# Altium PCB USB_HUB_VL813.PcbDoc (part 1 of 2)
Units mil, origin at the board's own origin, x right, y up, seen from the top; angles counter-clockwise.
Board outline 3149.61 x 1968.5 mil, 2 copper layers (Top Layer, Bottom Layer), stack 38.627 mil thick; 99 components, 97 nets, 397 pads, 366 vias.
Unrouted connection lines stored in the file: 59.
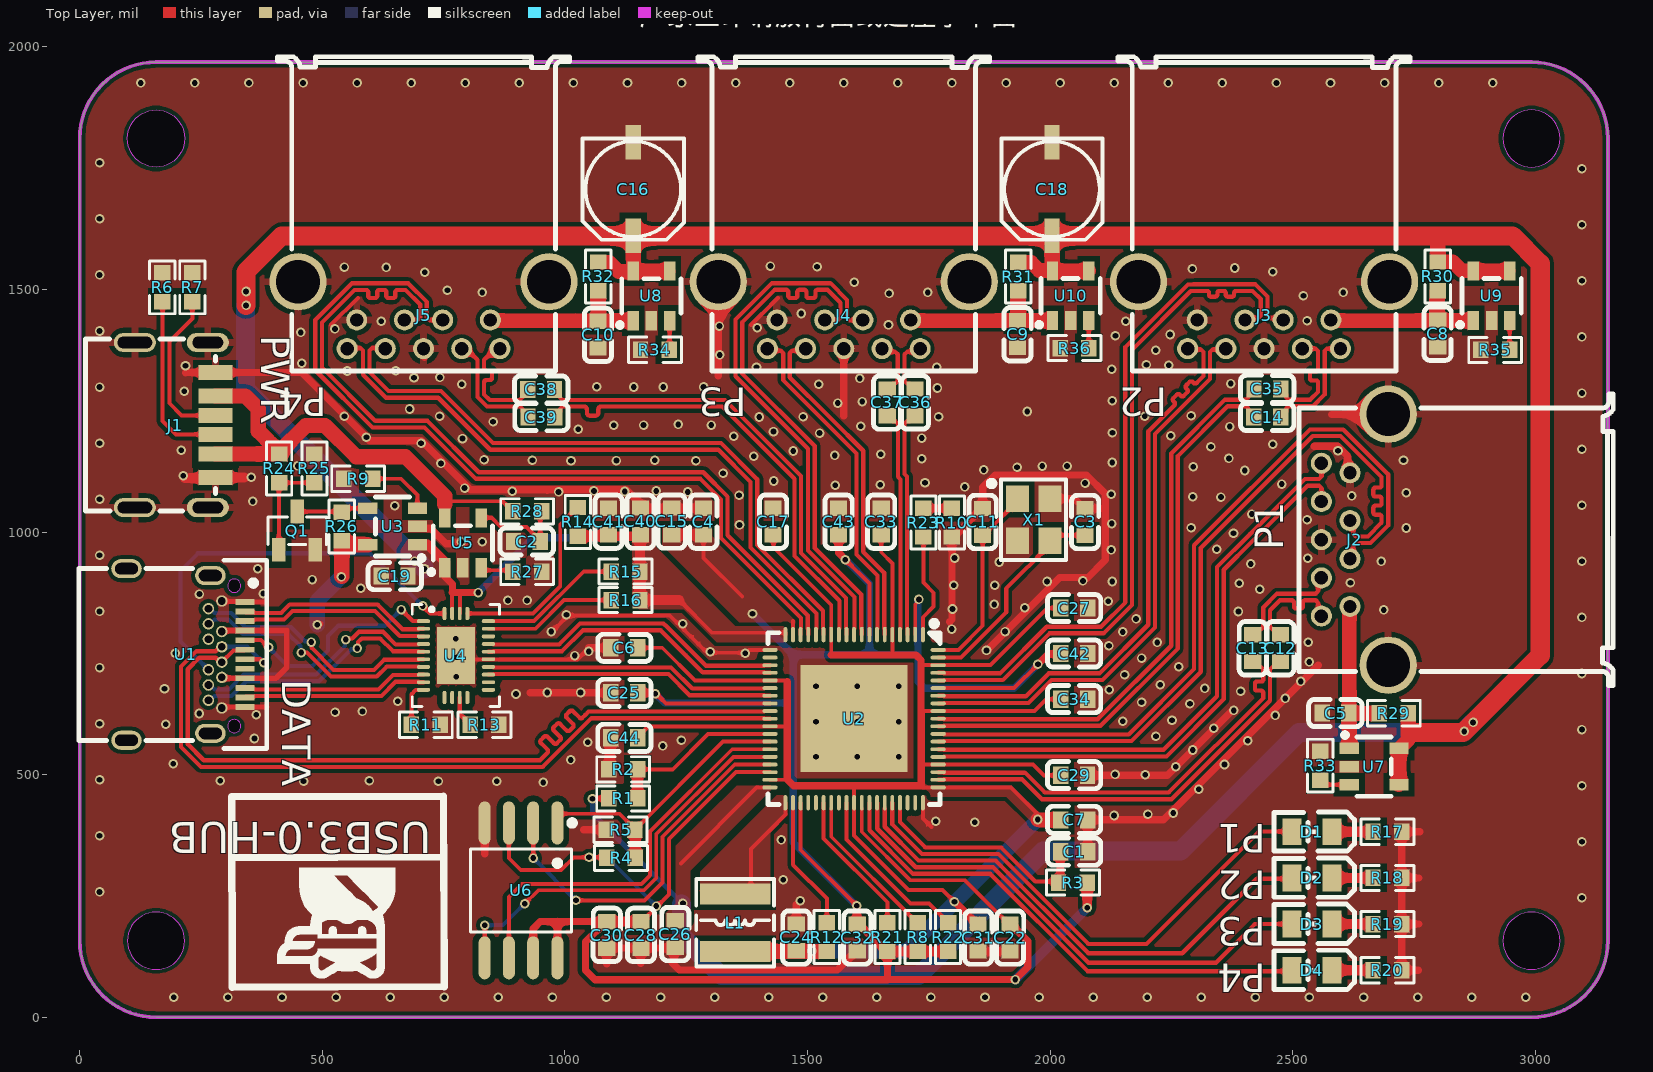
[diagram p0: Top Layer view]
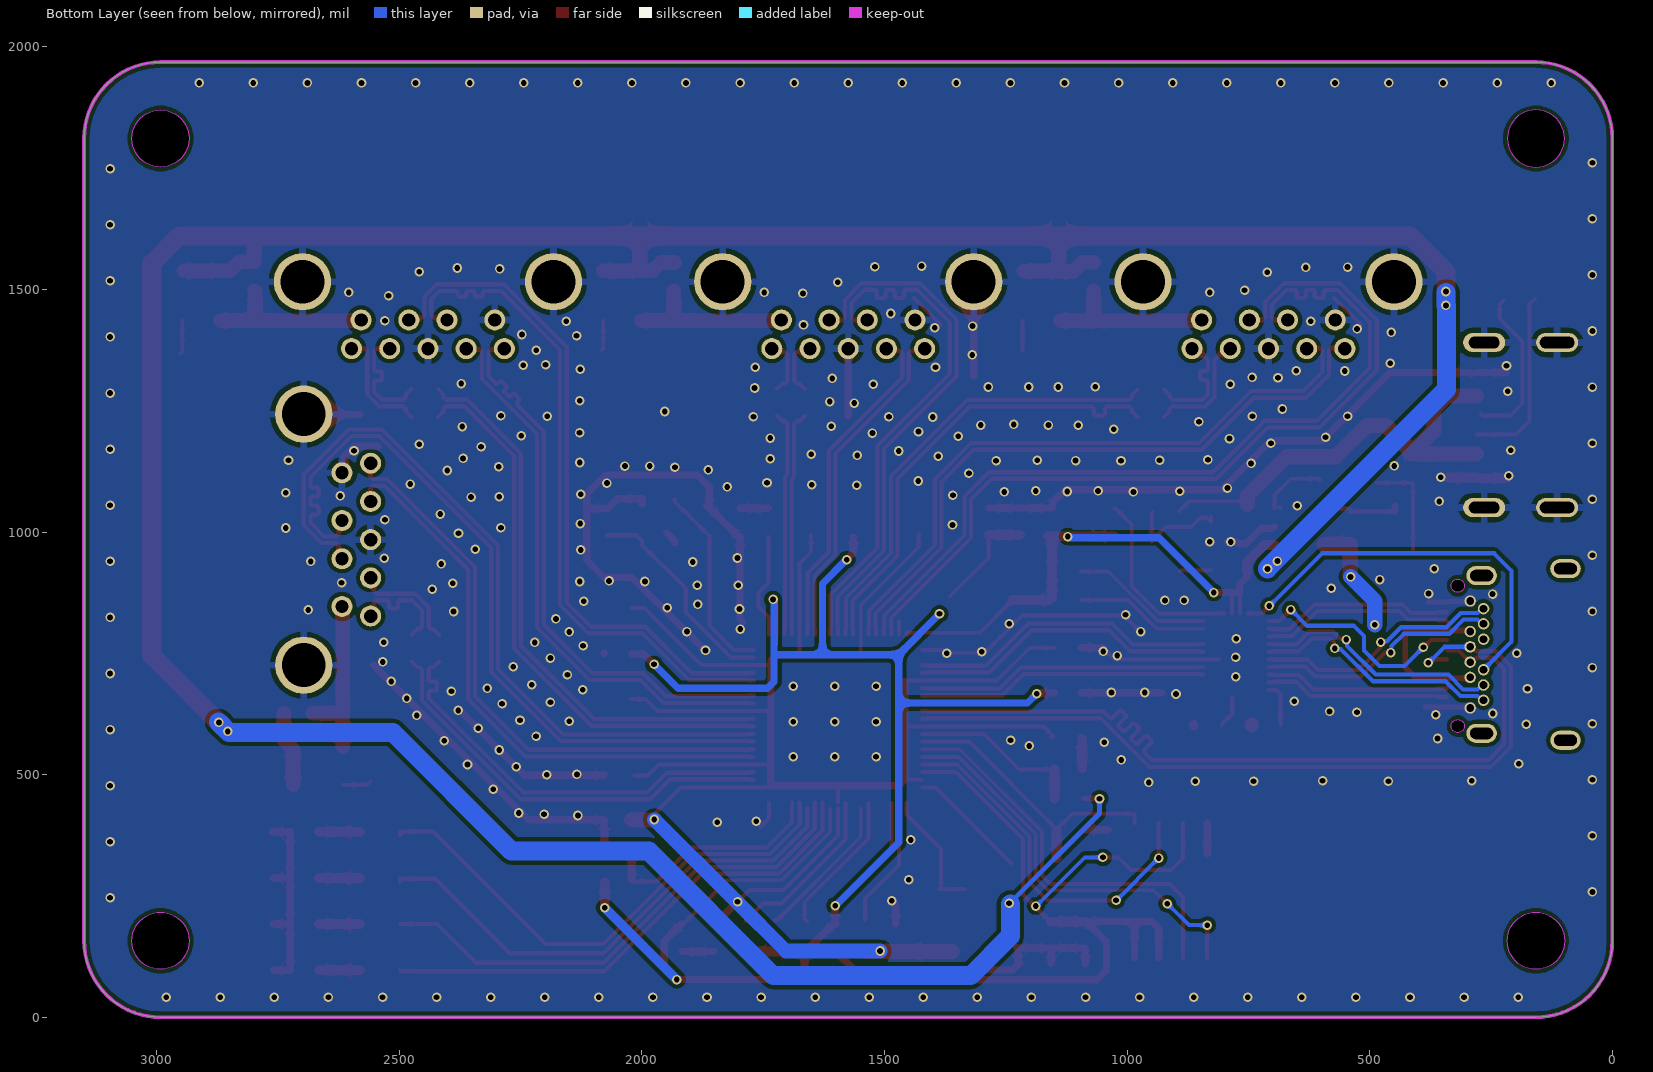
[diagram p1: Bottom Layer view, seen from below]
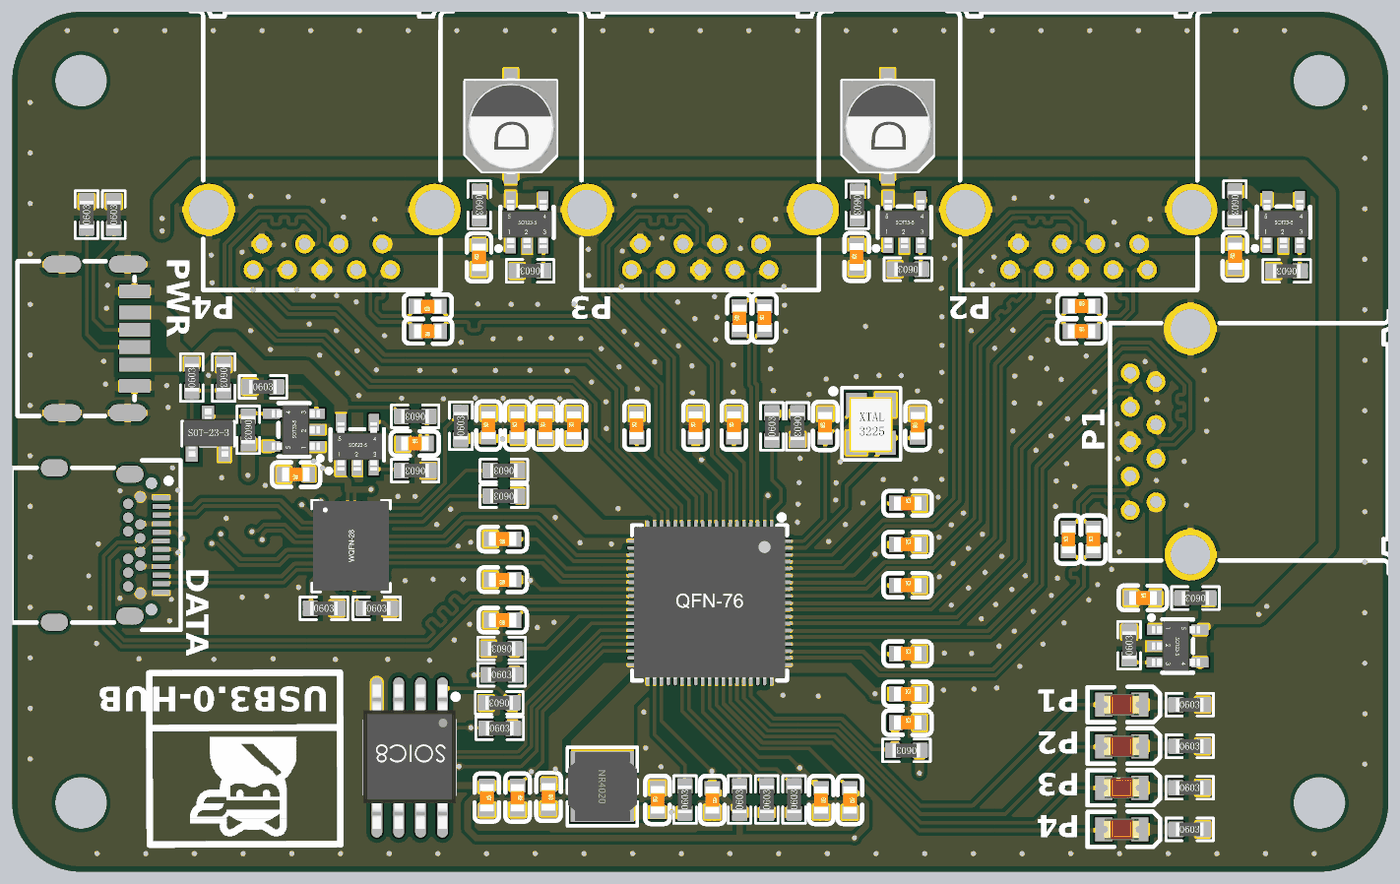
[diagram p3: 3D render of the assembled board from above, using the file's embedded part models]

## Layer stack, top to bottom
Top Solder: solder mask 0.4, Solder Resist, Dk 3.5
Top Layer: signal copper 1.4
Dielectric 1: dielectric 35.8268, FR-4, Dk 4.8
Bottom Layer: signal copper 1.4
Bottom Solder: solder mask 0.4, Solder Resist, Dk 3.5

## Board outline
0,157.48 0,1811.02 cw(c157.48,1811.02) 157.48,1968.5 2992.13,1968.5 cw(c2992.13,1811.02) 3149.61,1811.02 3149.61,157.48 cw(c2992.13,157.48) 2992.13,0 157.48,0 cw(c157.48,157.48)
cut-out: 157.48,1751.97 cw(c157.48,1811.02) 98.43,1811.02 cw(c157.48,1811.02) 157.48,1870.08 cw(c157.48,1811.02) 216.54,1811.02 cw(c157.48,1811.02)
cut-out: 98.43,157.48 ccw(c157.48,157.48) 157.48,98.43 ccw(c157.48,157.48) 216.54,157.48 ccw(c157.48,157.48) 157.48,216.54 ccw(c157.48,157.48)
cut-out: 2933.07,1811.02 ccw(c2992.13,1811.02) 2992.13,1751.97 ccw(c2992.13,1811.02) 3051.18,1811.02 ccw(c2992.13,1811.02) 2992.13,1870.08 ccw(c2992.13,1811.02)
cut-out: 2933.07,157.48 ccw(c2992.13,157.48) 2992.13,98.43 ccw(c2992.13,157.48) 3051.18,157.48 ccw(c2992.13,157.48) 2992.13,216.54 ccw(c2992.13,157.48)

## Design rules (kind name [scope] priority, off if disabled: settings)
Clearance [All] p1: gap=6 ignorepadtopadclearanceinfootprint=TRUE except(5: Arc-Arc Arc-Track Track-Track; 8: Arc-Fill Arc-Poly Arc-Region Track-Fill Track-Poly Track-Region THPad-Fill THPad-Poly THPad-Region Via-Fill Via-Poly Via-Region Fill-Fill Fill-Poly Fill-Region Fill-Hole Poly-Poly Poly-Region Poly-Hole Region-Region Region-Hole; 12: SMDPad-Fill SMDPad-Poly SMDPad-Region)
DiffPairsRouting Diff_90ohm [All] p1: maxlimit=5 minlimit=5 mostfreqgap=5 toplayer_minwidth=8 toplayer_maxwidth=8.64 toplayer_prefwidth=8.64 bottomlayer_minwidth=8 bottomlayer_maxwidth=8.64 bottomlayer_prefwidth=8.64 maxuncoupledlength=500
PlaneConnect [All] p1: planeconnectstyle=Direct reliefexpansion=20 reliefentries=2 reliefconductorwidth=10 reliefairgap=10
PolygonConnect PolygonConnect_2 [HasFootprint('TYPE-C-6P')] p1: connectstyle=Relief reliefconductorwidth=15 reliefentries=4 polygonreliefangle="90 Angle" airgapwidth=10
PolygonConnect PolygonConnect_1 [HasFootprint('TYPE-A3.0')] p2: connectstyle=Relief reliefconductorwidth=15 reliefentries=4 polygonreliefangle="90 Angle" airgapwidth=10
PolygonConnect [All] p3: connectstyle=Direct reliefconductorwidth=15 reliefentries=4 polygonreliefangle="90 Angle" airgapwidth=10
RoutingVias [All] p1: holewidth=28 width=50 viastyle="Through Hole" minholewidth=28 minwidth=50 maxholewidth=28 maxwidth=50
SolderMaskExpansion [All] p1: expansion=4
Width [All] p1: maxlimit=39.37 minlimit=6 preferedwidth=8 minimp=50.000000 maximp=50.000000 favimp=50.000000
28 further rules are at their usual default settings.

## Classes and differential pairs
differential pair SSTX0: +SSTX0_P -SSTX0_N
differential pair SSRX0: +SSRX0_P -SSRX0_N
differential pair H_TX2: +H_TX2_P -H_TX2_N
differential pair H_TX1: +H_TX1_P -H_TX1_N
differential pair H_RX2: +H_RX2_P -H_RX2_N
differential pair H_RX1: +H_RX1_P -H_RX1_N
differential pair USBHP4: +USBHP4_P -USBHP4_N
differential pair USBHP3: +USBHP3_P -USBHP3_N
differential pair USBHP2: +USBHP2_P -USBHP2_N
differential pair USBHP1: +USBHP1_P -USBHP1_N
differential pair USBDP: +USBDP_P -USBDP_N
differential pair SSTX4: +SSTX4_P -SSTX4_N
differential pair SSTX4_R: +SSTX4_R_P -SSTX4_R_N
differential pair SSTX3: +SSTX3_P -SSTX3_N
differential pair SSTX3_R: +SSTX3_R_P -SSTX3_R_N
differential pair SSTX2: +SSTX2_P -SSTX2_N
differential pair SSTX2_R: +SSTX2_R_P -SSTX2_R_N
differential pair SSTX1: +SSTX1_P -SSTX1_N
differential pair SSTX1_R: +SSTX1_R_P -SSTX1_R_N
differential pair SSRX4: +SSRX4_P -SSRX4_N
differential pair SSRX3: +SSRX3_P -SSRX3_N
differential pair SSRX2: +SSRX2_P -SSRX2_N
differential pair SSRX1: +SSRX1_P -SSRX1_N

## Components (designator, comment, footprint, x,y, rotation, side; value= is the part's Value field where it differs from the comment)
C1 "1uF" C0603 2049.74,341.1 r0 top
C2 "1uF" C0603 921.65,980.32 r0 top
C3 "22pF" C0603 2072.2,1020.9 r90 top
C4 "4.7uF" C0603 1285.6,1021.65 r90 top
C5 "1uF" C0603 2588.19,626.77 r0 top
C6 "0.1uF" C0603 1122.34,761.4 r180 top
C7 "4.7uF" C0603 2049.74,406.8 r0 top
C8 "1uF" C0603 2798.82,1409.06 r90 top
C9 "1uF" C0603 1933.07,1407.87 r90 top
C10 "1uF" C0603 1068.5,1406.7 r90 top
C11 "22pF" C0603 1860.9,1020.9 r90 top
C12 "0.1uF" C0603 2474.7,760.64 r90 top
C13 "0.1uF" C0603 2417.7,760.6 r90 top
C14 "0.1uF" C0603 2447.5,1237 r0 top
C15 "1uF" C0603 1220.28,1021.76 r90 top
C16 "47uF" C5*5 1140.94,1706.69 r90 top
C17 "0.1uF" C0603 1429.13,1021.65 r90 top
C18 "47uF" C5*5 2003.94,1706.69 r90 top
C19 "1uF" C0603 649.21,909.06 r180 top
C22 "0.1uF" C0603 1917.4,163.89 r270 top
C24 "4.7uF" C0603 1477,164.5 r90 top
C25 "0.1uF" C0603 1122.34,668.6 r180 top
C26 "4.7uF" C0603 1227.4,171.1 r270 top
C27 "0.1uF" C0603 2049.74,843.36 r0 top
C28 "0.1uF" C0603 1156.66,169.46 r270 top
C29 "0.1uF" C0603 2049.7,498.9 r0 top
C30 "0.1uF" C0603 1086.09,169.46 r270 top
C31 "0.1uF" C0603 1851.7,163.89 r270 top
C32 "0.1uF" C0603 1602.5,163.89 r270 top
C33 "0.1uF" C0603 1651.97,1021.65 r90 top
C34 "0.1uF" C0603 2049.74,655.5 r0 top
C35 "0.1uF" C0603 2447.6,1294.9 r0 top
C36 "0.1uF" C0603 1721.77,1267.4 r90 top
C37 "0.1uF" C0603 1664.17,1267.1 r90 top
C38 "0.1uF" C0603 950.9,1293.9 r180 top
C39 "0.1uF" C0603 951.4,1237 r180 top
C40 "4.7uF" C0603 1155.77,1021.76 r90 top
C41 "0.1uF" C0603 1090.16,1021.65 r90 top
C42 "0.1uF" C0603 2049.74,749.43 r0 top
C43 "0.1uF" C0603 1564.17,1021.65 r90 top
C44 "0.1uF" C0603 1122.34,575.8 r180 top
D1 "LED/G" LED0805-R-RD 2539.67,382.23 r180 top
D2 "LED/G" LED0805-R-RD 2539.67,287.11 r180 top
D3 "LED/G" LED0805-R-RD 2539.67,191.98 r180 top
D4 "LED/G" LED0805-R-RD 2539.67,96.85 r180 top
J1 "TYPE-C-6P" TYPE-C-6P 196.85,1220.47 r270 top locked
J2 "TYPE-A3.0" TYPE-A3.0 2559.06,984.25 r90 top locked
J3 "TYPE-A3.0" TYPE-A3.0 2440.94,1377.95 r180 top locked
J4 "TYPE-A3.0" TYPE-A3.0 1574.8,1377.95 r180 top locked
J5 "TYPE-A3.0" TYPE-A3.0 708.66,1377.95 r180 top locked
L1 "10uH Idc>500mA" Inductor 1350.8,253.91 r270 top
Q1 "AO3400_NMOS" SOT-23-3_L2.9-W1.3-P1.90-LS2.4-BR 448.03,1002.76 r270 top
R1 "47KΩ" R0603 1120.15,450.9 r0 top
R2 "100KΩ" R0603 1120.15,510.9 r180 top
R3 "10KΩ" R0603 2046.9,277.6 r180 top
R4 "10KΩ" R0603 1115.74,328.2 r0 top
R5 "10KΩ" R0603 1114.67,386.5 r180 top
R6 "5.1KΩ" R0603 170.08,1504.33 r90 top
R7 "5.1KΩ" R0603 232.28,1504.33 r90 top
R8 "10KΩ" R0603 1727.2,165.11 r90 top
R9 "7.5KΩ" R0603 574.02,1109.84 r0 top
R10 "5.1K" R0603 1797.64,1019.29 r270 top
R11 "20.5KΩ" R0603 713.34,602.9 r0 top
R12 "0Ω/DNP" R0603 1539.8,165.11 r90 top
R13 "10KΩ" R0603 834.2,602.9 r0 top
R14 "10KΩ" R0603 1026.77,1020.87 r90 top
R15 "10KΩ" R0603 1125.15,918.5 r180 top
R16 "10KΩ" R0603 1125.15,859.8 r180 top
R17 "1K" R0603 2695.15,382.23 r0 top
R18 "1K" R0603 2695.15,287.11 r0 top
R19 "1K" R0603 2695.15,191.98 r0 top
R20 "1K" R0603 2695.15,96.85 r0 top
R21 "10KΩ" R0603 1664.7,165.11 r90 top
R22 "10KΩ" R0603 1789.7,165.11 r90 top
R23 "1K" R0603 1738.98,1019.29 r90 top
R24 "1KΩ" R0603 411.02,1131.23 r90 top
R25 "47KΩ" R0603 483.86,1131.1 r270 top
R26 "10KΩ" R0603 540.16,1011.42 r270 top
R27 "1KΩ" R0603 922.28,918.11 r180 top
R28 "10KΩ" R0603 922.28,1042.52 r180 top
R29 "0Ω/NC" R0603 2708.4,626.38 r180 top
R30 "0Ω/NC" R0603 2798.82,1526.9 r270 top
R31 "0Ω/NC" R0603 1934.25,1526.51 r270 top
R32 "0Ω/NC" R0603 1068.9,1526.77 r270 top
R33 "5.1KΩ" R0603 2556.69,518.38 r90 top
R34 "5.1KΩ" R0603 1185.43,1375.59 r180 top
R35 "5.1KΩ" R0603 2917.32,1375.2 r180 top
R36 "5.1KΩ" R0603 2050.39,1379.13 r180 top
U1 "TYPE-C-24P" TYPE-C-24P 196.85,748.03 r270 top locked
U2 "VL813(A1)" QFN-76 1596.1,615.3 r180 top locked
U3 "SY6280AAC" SOT-23-5_L3.0-W1.7-P0.95-LS2.8-BR 644.88,1011.42 r0 top
U4 "WQFN-28" WQFN-28 775.5,745.5 r0 top
U5 "SY6280AAC" SOT-23-5_L3.0-W1.7-P0.95-LS2.8-BR 789.76,977.56 r270 top
U6 "W25Q16JVSIQ" SOIC-8_L5.3-W5.3-P1.27-LS8.0-BL 909.6,261.4 r180 top locked
U7 "SY6280AAC" SOT-23-5_L3.0-W1.7-P0.95-LS2.8-BR 2667.72,516.54 r180 top
U8 "SY6280AAC" SOT-23-5_L3.0-W1.7-P0.95-LS2.8-BR 1178.35,1486.61 r270 top
U9 "SY6280AAC" SOT-23-5_L3.0-W1.7-P0.95-LS2.8-BR 2909.84,1487.01 r270 top
U10 "SY6280AAC" SOT-23-5_L3.0-W1.7-P0.95-LS2.8-BR 2042.32,1487.01 r270 top
X1 "XTAL_3225_25M" OSC-SMD_4P-L3.2-W2.5-BL_SIT8008BI 1966,1025.2 r270 top

## Footprints (in the part's own frame and the unit in brackets; to place one, negate y for a bottom-side part, rotate by r counter-clockwise, add the part's x,y. Pads: shape width x height; smd on the part's side, far side on the other; paste and mask are expansions set on the pad)
C5*5 [mm]
  rect 1.8x0.8 smd: 1(-2.45,0) 2(2.45,0)
  silkscreen extent -2.65,-2.65 2.65,2.65, body extent -2.8,-2.67 2.8,2.63, height 5.2
C0603 [mm]
  rect 0.8x0.9 smd: 1(-0.7,0) 2(0.7,0)
  silkscreen extent -1.41,-0.71 1.39,0.72, body extent -0.8,-0.4 0.8,0.4, height 0.3
Inductor [mm]
  rect 1.1x3.7 smd: 1(0,0) 2(3,0)
  silkscreen extent -0.79,-2.03 3.79,2.03, body extent -0.5,-2 3.5,2, height 2.1
LED0805-R-RD [mm]
  rect 1x1.4 smd: 1(1.05,0) 2(-1.05,0)
  silkscreen extent -2.22,-1.04 1.99,1.01, body extent -1.01,-0.62 1.01,0.63, height 1.1
OSC-SMD_4P-L3.2-W2.5-BL_SIT8008BI [mm]
  rect 1.4x1.2 smd: 1(-1.1,-0.85) 2(1.1,-0.85) 3(1.1,0.85) 4(-1.1,0.85)
  silkscreen extent -2.1,-2.35 2.1,1.7, body extent -1.55,-1.27 1.65,1.23, height 0.8
QFN-76 [mm]
  oval 0.2x0.8 smd mask+0.051: 1(-3.6,-4.4) 2(-3.2,-4.4) 3(-2.8,-4.4) 4(-2.4,-4.4) 5(-2,-4.4) 6(-1.6,-4.4) 7(-1.2,-4.4) 8(-0.8,-4.4) 9(-0.4,-4.4) 10(0,-4.4) 11(0.4,-4.4) 12(0.8,-4.4) 13(1.2,-4.4) 14(1.6,-4.4) 15(2,-4.4) 16(2.4,-4.4) 17(2.8,-4.4) 18(3.2,-4.4) 19(3.6,-4.4) 39(3.6,4.399) 40(3.2,4.399) 41(2.8,4.399) 42(2.4,4.399) 43(2,4.399) 44(1.6,4.399) 45(1.2,4.399) 46(0.8,4.399) 47(0.4,4.399) 48(0,4.399) 49(-0.4,4.399) 50(-0.8,4.399) 51(-1.2,4.399) 52(-1.6,4.399) 53(-2,4.399) 54(-2.4,4.399) 55(-2.8,4.399) 56(-3.2,4.399) 57(-3.6,4.399)
  oval 0.8x0.2 smd mask+0.051: 20(4.4,-3.6) 21(4.4,-3.2) 22(4.4,-2.8) 23(4.4,-2.4) 24(4.4,-2) 25(4.4,-1.6) 26(4.4,-1.2) 27(4.4,-0.8) 28(4.4,-0.4) 29(4.4,0) 30(4.4,0.4) 31(4.4,0.8) 32(4.4,1.2) 33(4.4,1.6) 34(4.4,2) 35(4.4,2.4) 36(4.4,2.8) 37(4.4,3.2) 38(4.4,3.6) 58(-4.399,3.6) 59(-4.399,3.2) 60(-4.399,2.8) 61(-4.399,2.4) 62(-4.399,2) 63(-4.399,1.6) 64(-4.399,1.2) 65(-4.399,0.8) 66(-4.399,0.4) 67(-4.399,0) 68(-4.399,-0.4) 69(-4.399,-0.8) 70(-4.399,-1.2) 71(-4.399,-1.6) 72(-4.399,-2) 73(-4.399,-2.4) 74(-4.399,-2.8) 75(-4.399,-3.2) 76(-4.399,-3.6)
  rect 5.6x5.6 smd mask+0.051: 77(0,0)
  silkscreen extent -4.5,-5.13 4.5,4.5, body extent -4.4,-4.45 4.4,4.4, height 0.89
R0603 [mil]
  rect 31.75x34.02 smd: 1(-29.65,0) 2(29.65,0)
  silkscreen extent -55,-26 55,26, body extent -31,-16 31,16, height 18
SOIC-8_L5.3-W5.3-P1.27-LS8.0-BL [mm]
  oval 0.63x2.25 smd: 1(-1.905,-3.53) 2(-0.635,-3.53) 3(0.635,-3.53) 4(1.905,-3.53) 5(1.905,3.53) 6(0.635,3.53) 7(-0.635,3.53) 8(-1.905,3.53)
  silkscreen extent -2.82,-3.68 2.64,2.18, body extent -2.69,-4.25 2.69,4.15, height 2.3
SOT-23-3_L2.9-W1.3-P1.90-LS2.4-BR [mm]
  rect 1.25x0.7 smd: 1(1,-0.95) 2(1,0.95) 3(-1,0)
  silkscreen extent -0.73,-1.53 0.73,1.53, body extent -1.45,-1.42 1.35,1.48, height 1.2
SOT-23-5_L3.0-W1.7-P0.95-LS2.8-BR [mm]
  rect 1x0.6 smd: 1(1.3,-0.95) 2(1.3,0) 3(1.3,0.95) 4(-1.3,0.95) 5(-1.3,-0.95)
  silkscreen extent -0.9,-1.78 1.65,1.55, body extent -1.3,-1.45 1.5,1.45, height 1.09
TYPE-A3.0 [mm]
  round 1.1 hole 0.7 mask+0.05: 1(-3.5,-1.5) 2(-1,-1.5) 3(1,-1.5) 4(3.5,-1.5) 5(4,0) 6(2,0) 7(0,0) 8(-2,0) 9(-4,0)
  round 3 hole 2.3 mask+0.05: 10(-6.57,-3.5) 11(6.57,-3.5)
  silkscreen extent -7.64,-15.28 7.64,1.17, body extent -7.37,-14.39 7.32,-0.09, height 6.8
TYPE-C-6P [mm]
  oval 1x2.2 hole 0.61 slot 1.6 at 90 deg mask+0.051: 0(-4.32,1.71) 0(4.32,1.71)
  oval 1x2.2 hole 0.61 slot 1.8 at 90 deg mask+0.051: 0(-4.32,-2.11) 0(4.32,-2.11)
  rect 0.8x1.8 smd mask+0.051: A5(-0.5,2.11) A9(1.52,2.11) A12(2.75,2.11) B5(0.5,2.11) B9(-1.52,2.11) B12(-2.75,2.11)
  silkscreen extent -4.5,-4.69 4.5,2.11, body extent -4.68,-5.18 4.57,3.92, height 3.35
TYPE-C-24P [mm]
  oval 1x1.6 hole 0.6 slot 1.2 at 90 deg mask+0.051: 1(-4.12,1.84) 2(-4.48,-2.55) 3(4.5,-2.55) 4(4.14,1.84)
  rect 0.3x1.01 smd mask+0.051: A1(-2.74,3.65) A2(-2.24,3.65) A3(-1.74,3.65) A4(-1.24,3.65) A5(-0.74,3.65) A6(-0.24,3.65) A7(0.26,3.65) A8(0.76,3.65) A9(1.26,3.65) A10(1.76,3.65) A11(2.26,3.65) A12(2.76,3.65)
  round 0.6 hole 0.4 mask+0.051: B1(2.81,2.44) B2(2.41,1.74) B3(1.611,1.74) B4(1.21,2.44) B5(0.81,1.74) B6(0.41,2.44) B7(-0.39,2.44) B8(-0.79,1.74) B9(-1.19,2.44) B10(-1.59,1.74) B11(-2.39,1.74) B12(-2.79,2.44)
  Keep-Out Layer board cut-out: 4.11,3.09 4.075,3.242 3.978,3.364 3.838,3.431 3.682,3.431 3.542,3.364 3.445,3.242 3.41,3.09 3.41,3.09 3.445,2.938 3.542,2.816 3.682,2.749 3.838,2.749 3.978,2.816 4.075,2.938 4.11,3.09
  Keep-Out Layer board cut-out: -3.24,3.09 -3.275,3.242 -3.372,3.364 -3.512,3.431 -3.668,3.431 -3.808,3.364 -3.905,3.242 -3.94,3.09 -3.94,3.09 -3.905,2.938 -3.808,2.816 -3.668,2.749 -3.512,2.749 -3.372,2.816 -3.275,2.938 -3.24,3.09
  silkscreen extent -4.92,-5.05 4.94,4.79, body extent -4.62,-4.7 4.63,4.4, height 3.35
WQFN-28 [mm]
  oval 0.7x0.2 smd: 1(-1.7,1.8) 2(-1.7,1.4) 3(-1.7,1) 4(-1.7,0.6) 5(-1.7,0.2) 6(-1.7,-0.2) 7(-1.7,-0.6) 8(-1.7,-1) 9(-1.7,-1.4) 10(-1.7,-1.8) 15(1.7,-1.8) 16(1.7,-1.4) 17(1.7,-1) 18(1.7,-0.6) 19(1.7,-0.2) 20(1.7,0.2) 21(1.7,0.6) 22(1.7,1) 23(1.7,1.4) 24(1.7,1.8)
  oval 0.2x0.7 smd: 11(-0.6,-2.2) 12(-0.2,-2.2) 13(0.203,-2.2) 14(0.6,-2.2) 25(0.6,2.2) 26(0.203,2.2) 27(-0.2,2.2) 28(-0.6,2.2)
  rect 2x3 smd: 29(0,0)
  silkscreen extent -2.29,-2.67 2.29,2.67, body extent -2.2,-2.59 2.21,2.61, height 0.9

## Part data
C1 C2 C3 C4 C5 C6 C7 C8 C9 C10 C11 C12 C13 C14 C15 C16 C17 C18 C19 C22 C24 C25 C26 C27 C28 C29 C30 C31 C32 C33 C34 C35 C36 C37 C38 C39 C40 C41 C42 C43 C44: library part C, BOM_JLCPCB Part Class="Extended Part", BOM_Manufacturer=FH, BOM_Manufacturer Part=0603F104M500NT, BOM_Supplier=LCSC, BOM_Supplier Part=C42998, nameAlias=Capacitance, spicePre=C, spiceSymbolName=0603F104M500NT
D1 D2 D3 D4: library part 17-21SURC/S530-A3/TR8, BOM_JLCPCB Part Class="Extended Part", BOM_Manufacturer=EVERLIGHT, BOM_Manufacturer Part=17-21SURC/S530-A3/TR8, BOM_Supplier=LCSC, BOM_Supplier Part=C72037, spicePre=L, spiceSymbolName=17-21SURC/S530-A3/TR8
L1: library part L, BOM_JLCPCB Part Class="Extended Part", BOM_Manufacturer=FH, BOM_Manufacturer Part=VHF160808H33NJT, BOM_Supplier=LCSC, BOM_Supplier Part=C90209, nameAlias=Inductance, spicePre=L, spiceSymbolName=VHF160808H33NJT
Q1: library part AO3400_C841146, BOM_JLCPCB Part Class="Extended Part", BOM_Manufacturer=LGE, BOM_Manufacturer Part=AO3400, BOM_Supplier=LCSC, BOM_Supplier Part=C841146, Contributor=LCSC, spicePre=Q, spiceSymbolName=AO3400_C841146
R1 R2 R3 R4 R5 R6 R7 R8 R9 R10 R11 R12 R13 R14 R15 R16 R17 R18 R19 R20 R21 R22 R23 R24 R25 R26 R27 R28 R29 R30 R31 R32 R33 R34 R35 R36: library part R, BOM_Manufacturer="Guangdong Fenghua Advanced Tech", BOM_Manufacturer Part=RS-03K1002FT, Resistance (Ohms)=10K, BOM_Supplier=LCSC, BOM_Supplier Part=C115324, Contributor=LCSC, nameAlias=Resistance, spicePre=R, spiceSymbolName=RS-03K1002FT
U2: JLCPCB Part Class="Extended Part", Manufacturer=VIA(Ì¨ÍåÍ, Supply Voltage=-, Add into BOM=yes, Convert to PCB=yes, Data Rate=-, Datasheet=https://atta.szlcsc.com/upload/public/pdf/source/20180420/C209755_1BF0F45DD04BFA941B7FD492504FA511.pdf, Device=VL813(A1), LCSC Part Name=VL813(A1), Manufacturer Part=VL813(A1), Name=VL813(A1), Number of Drivers/Receivers=-, Protocol=-, Supplier=LCSC, Supplier Footprint=QFN-76_9x9x04P, Supplier Part=C209755, Symbol=VL813(A1)_C209755, Type=-
U4: library part VL160
U6: library part W25Q16FWSSIQ, BOM_JLCPCB Part Class="Extended Part", BOM_Manufacturer="Winbond Elec", BOM_Manufacturer Part=W25Q16FWSSIQ, BOM_Supplier=LCSC, BOM_Supplier Part=C377629, Contributor=LCSC, spicePre=U, spiceSymbolName=W25Q16FWSSIQ
X1: library part XTAL_3225_40M, BOM_JLCPCB Part Class="Extended Part", BOM_Manufacturer=YXC, BOM_Manufacturer Part=X322540MPB4SI, BOM_Supplier=LCSC, BOM_Supplier Part=C9010, nameAlias=Frequency, spicePre=X, spiceSymbolName=X322540MPB4SI

## Via types
v1: diameter 19.68, hole 11.81, Top Layer to Bottom Layer, tented both sides, 366 vias

## Nets (pads, with @x,y where several pads share a name; then routed paths per layer and width w, separated by ;. In a path a pad name is that pad's centre, name@x,y a point inside that pad or via, vN(x,y) a via of type N, cw(c..) or ccw(c..) an arc to the next point about the centre after c; other vN are vias at no path point)
1V2: C6.1 C7.1 C17.1 C24.1 C27.1 C29.1 C31.1 C33.1 C34.1 C44.1 L1.2 R12.1 U2.5 U2.13 U2.24 U2.30 U2.37 U2.48 U2.58 U2.61 U2.68 U2.74 | length 4614.6
  Top Layer w8: C6.1@1149.9,761.4 1200.58,761.4 1267.93,694.05 U2.24@1422.89,694.05 1454.55,694.05 1456,692.6 ; C44.1@1151.57,579.45 1155.43,575.59 C44.1@1155.43,579.45 ; C44.1@1155.43,582.99 1172,599.56 U2.30@1422.89,599.56 1458.2,599.56 1459.1,599.56 1460.63,598.03 ; U2.37@1422.89,489.32 1458.22,489.32 1458.27,489.37 ; C17.1@1427.95,996.46 1429.92,994.49 1429.92,968.5 1548.85,849.58 U2.13@1548.85,788.51 1548.85,746.46 1549.21,746.06 ; U2.48@1596.09,430.36 1596.09,374.38 1708.29,262.18 1778.37,262.18 v1(1802.76,237.8) ; U2.48@1596.09,442.11 1596.09,476.79 1596.2,476.9 1596.8,477.5 ; C33.1@1651.97,994.1 1651.97,958.27 1674.83,935.41 U2.5@1674.83,788.51 1674.83,746.46 ; 1734,476.4 1736.77,473.63 1769.23,473.63 U2.58@1769.29,473.57 1919.34,473.57 v1@1980.31,412.6 ; 1734.25,632.25 1735.45,631.05 U2.68@1769.29,631.05 1968.04,631.05 1992.49,655.5 C34.1@2022.19,655.5 ; 1735.83,723.23 1738.14,725.54 U2.74@1769.29,725.54 1877.11,725.54 1994.94,843.36 C27.1@2022.19,843.36 ; 1737.3,521 1737.48,520.82 U2.61@1769.29,520.82 1964.61,520.82 1987.03,498.41 C29.1@2016.58,498.41
  Top Layer w15: 1458.2,489.8 1458.2,599.56 1458.2,691.73 ; 1458.78,489.32 1471.2,476.9 1596.2,476.9 1734,476.9 ; 1548.85,746.46 1674.83,746.46 ; 1661.8,746.4 1722.89,746.4 ; 1725.2,744.88 1734,736.08 1734,632.5 ; 1734.25,477.15 1734.25,632.25 ; v1@1803.38,237.8 1849.73,191.44 C31.1@1851.7,191.44
  Top Layer w30: L1.2@1360.75,135.45 R12.1@1539.8,135.45 R12.1@1539.9,135.35 ; v1@1974.8,407.09 1975.09,406.8 C7.1@2022.19,406.8
  Bottom Layer w15: v1(1802.76,237.8) 1804.33,237.8 1806.3,239.76 v1@1806.69,239.76
  Bottom Layer w30: v1(1509.1,136.5) 1703.04,136.5 v1@1804.33,237.8 ; v1@1806.3,239.76 v1@1806.72,240.18 ; v1@1806.69,239.76 v1@1974.02,407.09
  other v1: 1974.8,407.48
3V3: C4.1 C15.1 C22.1 C25.1 C28.1 C30.1 C32.1 C42.1 C43.1 R3.1 R4.1 R8.1 R21.1 R22.1 U2.2 U2.8 U2.18 U2.27 U2.36 U2.41 U2.49 U2.71 U6.3 U6.7 U6.8 | length 6741.1
  Top Layer w8: U6.3@884.6,400.38 884.6,327.6 909,303.2 992,303.2 1018.3,329.5 v1(1049.8,329.5) 1084.79,329.5 R4.1@1086.09,328.2 ; C28.1@1156.66,197.01 1158.82,197.01 1189.57,227.76 1214.57,252.76 1214.57,366.93 1352.71,505.07 U2.36@1422.89,505.07 ; v1@1186.5,668.6 1208.3,646.8 U2.27@1422.89,646.8 ; C4.1@1285.6,994.2 C4.1@1285.6,994.1 1285.6,946.6 1365.49,866.71 ; U2.18@1470.11,788.51 1470.11,816.5 ; U2.41@1485.86,442.11 1485.86,345.24 1601.18,229.92 v1(1601.57,229.92) ; C43.1@1564.17,988.97 1567.72,992.52 C43.1@1564.57,992.52 ; v1(1577.95,942.91) 1577.89,942.98 1577.89,943.37 1627.59,893.67 U2.8@1627.59,788.51 ; U2.49@1611.84,430.36 1611.84,382.32 1711.96,282.2 1824.49,282.2 1915.25,191.44 C22.1@1917.4,191.44 ; R21.1@1650.7,147.33 1651.69,147.33 R21.1@1663.57,135.45 ; U2.2@1722.08,788.51 1722.08,851.08 v1@1730.7,859.7 ; U2.71@1769.29,678.3 1925.94,678.3 v1@1974.8,727.17 ; C42.1@2021.16,748.4 C42.1@2022.19,749.43
  Top Layer w15: U6.7@934.6,122.42 934.6,182.63 949.21,197.24 984.65,197.24 ; U6.8@984.6,122.42 984.65,122.47 984.65,197.24 ; C30.1@1086.09,197.01 1084.12,197.01 1042.52,155.41 1042.52,96.85 1062.13,77.24 1664.39,77.24 1664.7,77.56 v1(1927.95,77.56) 1953.94,103.54 1953.94,156.88 1919.37,191.44 C22.1@1917.4,191.44 ; C30.1@1087.64,197.01 1087.4,197.24 984.65,197.24 ; C25.1@1149.9,668.6 v1@1186.5,668.6 ; C43.1@1564.17,988.97 1564.17,957.09 v1@1577.89,943.37 ; v1(1601.57,229.92) 1601.57,192.49 1600.53,191.44 C32.1@1602.5,191.44 ; C32.1@1603.18,194.86 R21.1@1650.7,147.33 ; R21.1@1664.7,135.45 1664.7,80.58 1665.35,79.92 ; v1@1975.2,727.56 1996.04,748.4 C42.1@2021.16,748.4
  Top Layer w20: C30.1@1087.64,197.01 C28.1@1156.66,197.01 ; C15.1@1220.28,994.2 C4.1@1285.6,994.2 ; R21.1@1664.7,135.45 R8.1@1727.2,135.45 R22.1@1789.7,135.45 ; v1@2076.56,225.59 R3.1@2076.56,277.6
  Bottom Layer w8: v1(1049.8,329.5) 1087.2,329.5 v1@1187.88,228.82
  Bottom Layer w15: v1(1186.1,666.9) 1205.2,647.8 1470.6,647.8 ; v1@1385.87,831.93 1470.6,747.2 ; v1@1580.71,940.94 1627.56,894.09 1627.56,747 ; v1@1598.82,231.89 1470.6,360.11 1470.6,647.8 ; 1727.46,768.06 1727.46,860.26 1728.3,861.1 v1(1729.7,861.1) ; 1727.56,748.03 1726.53,747 1627.56,747 ; 1727.6,770.3 1727.6,691.69 1741.29,678 1925.7,678 v1(1974.9,727.2) ; 1470.6,647.8 1470.6,747.2 ; 1470.6,747.2 1592.47,747.2 1592.67,747 1627.56,747
  Bottom Layer w20: v1(1927.95,77.56) 1928.35,77.56 v1(2076.38,225.59)
  other v1: 1188.19,229.13 1386.61,831.5
5V0: C16.1 C18.1 C19.1 C26.1 C40.1 C41.1 R1.1 R14.1 R15.1 R16.1 R29.1 R30.1 R31.1 R32.1 U2.19 U2.38 U3.1 U4.26 U4.27 U5.1 U7.4 U7.5 U8.4 U8.5 U9.4 U9.5 U10.4 U10.5 | length 9207.1
  Top Layer w8: U4.27@767.62,832.11 767.72,832.21 767.72,875.2 ; U4.26@783.49,832.11 783.49,874.02 ; R16.1@1157.1,863.8 1157.1,856.37 R16.1@1160.63,859.9 ; C26.1@1229.37,198.65 C26.1@1227.4,198.65 C26.1@1238.9,210.15 ; 1235.9,859.9 1303.32,792.48 1454.3,792.48 1454.36,792.42 U2.19@1454.36,788.51 ; 1238.9,317.2 1395.27,473.57 U2.38@1422.89,473.57
  Top Layer w10: v1@1056.5,450.9 R1.1@1090.49,450.9
  Top Layer w15: U5.1@751.97,918.11 751.97,909.06 768.5,892.52 768.5,875.59 ; 767.72,875.2 783.49,875.2 v1(821.26,875.2)
  Top Layer w20: U3.1@696.06,974.02 697.01,973.06 718.28,973.06 752.76,938.58 752.76,918.9 U5.1@751.97,918.11 ; R14.1@1026.77,991.21 1163.26,991.21 C40.1@1163.78,991.73 ; R16.1@1154.8,863.8 R15.1@1154.8,918.5 C40.1@1154.8,989.3 ; R16.1@1160.63,859.9 1235.9,859.9
  Top Layer w30: R32.1@1068.9,1556.43 1091.6,1556.43 1111.42,1536.61 1139.77,1536.61 U8.5@1140.95,1537.8 ; C16.1@1140.94,1610.24 U8.5@1140.95,1537.8 ; U8.4@1212.56,1537.8 U8.5@1140.95,1537.8 ; R31.1@1931.89,1555.51 1961.02,1555.51 1977.56,1538.98 2004.21,1538.98 U10.5@2004.93,1539.69 ; U10.5@2004.93,1538.19 U10.5@2004.93,1539.69 ; C18.1@2006.3,1601.97 2004.93,1600.6 U10.5@2004.93,1539.69 ; U10.5@2008.12,1538.19 U10.4@2079.73,1538.19 ; U7.4@2718.9,479.13 U7.5@2718.9,550.74 ; U7.5@2723.59,557.12 2723.59,557.84 2738.05,572.3 R29.1@2738.05,626.38 ; 2800,1605.12 2798.82,1603.94 R30.1@2798.82,1556.55 2830.06,1556.55 2848.03,1538.58 2872.06,1538.58 U9.5@2872.45,1538.19 U9.4@2944.06,1538.19
  Top Layer w39.37: v1@342.52,1467.32 342.52,1536.22 416.54,1610.24 C16.1@1140.94,1610.24 C18.1@2000,1610.24 ; C18.1@2003.94,1610.24 2953.15,1610.24 3010.24,1553.15 3010.24,745.67 v1(2853.54,588.98) 2851.18,586.61 2744.88,586.61
  Bottom Layer w10: v1(1056.9,450.3) 1056.9,419.9 v1@1242.8,234
  Bottom Layer w15: v1(821.26,875.2) 934.16,988.1 v1@1121.17,988.1
  Bottom Layer w39.37: v1@342.52,1493.31 342.52,1466.93 342.13,1466.54 342.13,1293.7 710.63,925.2 v1(710.63,924.02) ; v1@1240.7,233.4 1240.7,167.57 1322.44,85.83 1729.13,85.83 1985.83,342.52 2268.9,342.52 2513.39,587.01 2851.18,587.01 v1(2871.65,607.48) v1@2872.44,608.27
  other v1: 1243.2,234.8 690.16,940.16 1122.44,990.55 342.91,1466.93 342.91,1495.67
5V_BCK: J1.A9 J1.B9 R24.2 R28.2 U5.5 | length 936.4
  Top Layer w8: 752.36,1057.48 758.27,1063.39 871.76,1063.39 879.61,1055.53 880.75,1055.53 892.62,1043.65 R28.2@892.62,1042.52
  Top Layer w31.5: J1.A9@279.92,1160.63 411.03,1160.63 R24.2@411.28,1160.88 ; J1.B9@279.92,1280.31 341.34,1280.31 368.11,1253.54 368.11,1207.87 R24.2@411.22,1164.76 ; R24.2@411.02,1160.88 R24.2@411.28,1160.88 ; R24.2@412.28,1161.01 412.16,1160.88 R24.2@411.28,1160.88 ; 752.36,1057.48 752.36,1074.41 671.65,1155.12 570.08,1155.12 505.51,1219.68 466.14,1219.68 R24.2@411.22,1164.76 ; R24.2@411.22,1164.76 410.24,1163.78 412.2,1163.78 R24.2@411.22,1164.76
CC1: U1.A5 U4.1 | length 465.3
  Top Layer w8.64: U1.A5@340.55,777.16 373.4,777.16 387.85,762.7 v1(389.3,762.7) ; v1(662.6,840.2) 686.44,816.36 U4.1@708.57,816.36
  Bottom Layer w8.64: v1(389.3,762.7) 427.99,724.01 479.68,724.01 511.7,756.02 511.7,785.55 532.77,806.63 629.03,806.63 v1(662.6,840.2)
CC2: U1.B5 U4.28 | length 839.9
  Top Layer w8.64: v1(707,847.7) 722.59,832.11 U4.28@751.87,832.11
  Bottom Layer w8.64: U1.B5@265.35,716.12 207.48,773.99 207.48,920.05 243.53,956.1 598.23,956.1 706.69,847.64 v1@708.27,847.64
EXTPWRON: R22.2 U2.47 | length 350
  Top Layer w8: 1580.31,406.3 1580.31,366.54 1712.25,234.6 1750.56,234.6 R22.2@1785.6,199.55 ; 1580.34,406.32 U2.47@1580.34,442.11